# KiCad board MainPCB.kicad_pcb (continued)
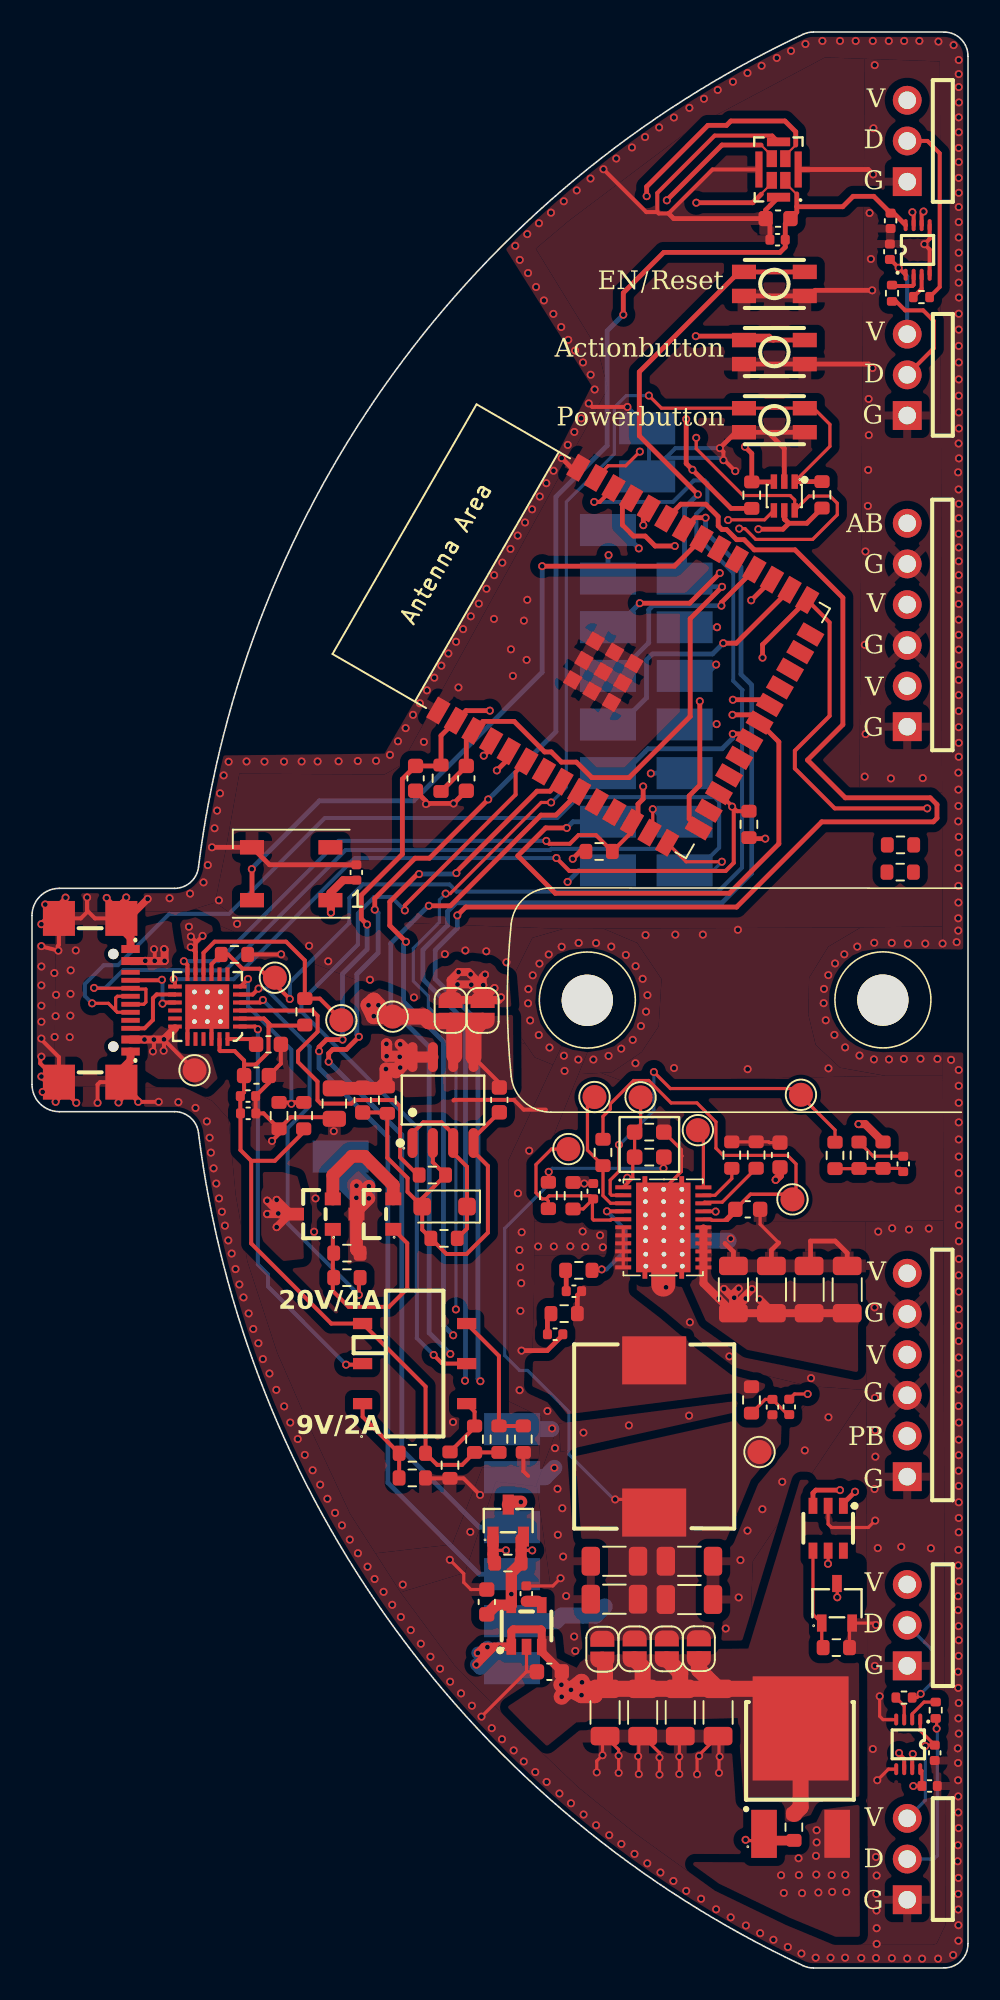
[diagram p0: board, top side]
## Routing (per net, layer and track width the routed paths; a pad name or vN(x,y) marks a point on that pad's centre or on a via; arc(x,y) is an arc through that point) (continued)
TXD0: length 20.4
  Top w0.3: v1(40.17,88.77) 38.94,88.77 38.32,89.39 37.59,89.39 36.89,90.09 36.89,91.2 U23.37
  In2.Cu w0.3: v1(40.17,88.77) 40.19,88.75 40.19,85.11 41.1,84.2 41.1,78.46 41.91,77.65 v1(42.78,77.65)
  Bottom w0.3: v1(42.78,77.65) 42.75,77.63 P28.1
USB-C CC1: length 4.3
  Top w0.25: U5.4 8.08,61.66 v1(8.12,61.69) ; v1(8.16,60.2) 8.23,60.27 IC1.15
  Bottom w0.25: v1(8.12,61.69) 8.16,61.65 v1(8.16,60.2)
USB-C CC2: length 4.5
  Top w0.25: U5.10 7.03,58.66 7.56,59.18 7.56,60.54 7.79,60.78 8.93,60.78 IC1.14
USB_PD_IC 3.3V: length 50.8
  Top w0.25: 14.49,59.27 14.78,58.99 14.78,57.18 13.99,56.4 13.25,56.4 ; 14.49,59.27 14.94,58.83 17.01,58.83 R2.1 ; 14.49,59.27 IC1.2 ; R13.1 R39.1 26.87,31.41 25.32,31.41 R10.1 24.59,36.3 SW3.3 18.7,40.23 13.7,45.23 13.7,50.39 ; 13.7,50.39 15.18,50.39 16.98,52.19 R6.1 ; 13.7,50.39 13.03,51.06 C6.2 13.02,53.36 C7.2 13.25,54.67 C5.2 13.25,56.4 ; 13.25,56.4 13.25,56.65 12.66,57.24 11.76,57.24 11.72,57.29 IC1.23
USB_PD_IC_FET_GATE: length 28.5
  Top w0.25: C4.2 27.59,51.8 U2.4 27.59,50.97 28.49,50.07 28.49,45.9 27.16,44.57 25.9,44.57 R12.1 24.38,46.09 D1.2 ; D1.2 23.47,48.45 23.47,49.31 22.2,50.58 R7.1 22.15,53.41 C2.2 ; D1.2 24.38,48.04 R9.2 25.05,50.3 U2.2
USB_PD_IC_FET_SRC: length 10.9
  Top w0.25: U2.1 23.78,52.12 24.45,52.79 25.59,52.79 26.32,52.06 U2.3 26.32,50.88 27.18,50.02 D1.1 27.18,46.16 R12.2
USB_PD_IC_FLIP: length 13.7
  Top w0.25: IC1.10 10.71,63.38 11.41,64.07 15.88,64.07 17.05,62.9 R2.2 17.98,60.52 TP2.1
USB_PD_IC_ISNK_FINE: length 12
  Top w0.25: IC1.6 13.03,61.27 v1(13.5,61.74) ; R8.1 R6.2 16.29,54.04 v1(16.21,53.95)
  Bottom w0.25: v1(16.21,53.95) 16.21,57.32 13.5,60.03 v1(13.5,61.74)
USB_PD_IC_SAFE_PWR_EN: length 24.6
  Top w0.25: R15.1 20.43,43.02 v1(20.43,42.02) ; IC1.4 14.27,60.27 v1(14.43,60.43)
  Bottom w0.25: v1(14.43,60.43) 17.35,57.51 17.35,53.8 15.98,52.43 15.98,46.47 v1(20.43,42.02)
USB_PD_IC_VBUS_FET_EN: length 21.6
  Top w0.25: R9.1 24.11,49.5 23,50.61 23,53.78 22.6,54.18 20.18,54.18 19.96,53.96 18.05,53.96 17.84,54.17 17.84,55.34 16.63,56.55 16.63,57.23 17.85,58.45 17.85,59.44 17.51,59.77 IC1.3
USB_PD_IC_VBUS_MIN: length 25.5
  Top w0.25: v1(19.63,37.66) 20.59,37.66 SW3.2 ; IC1.1 13.94,58.77 v1(14.11,58.6)
  Bottom w0.25: v1(19.63,37.66) 14.75,42.54 14.75,43.29 14.11,43.92 v1(14.11,58.6)
USB_PD_IC_VDC_OUT: length 20.9
  Top w0.25: 10.21,63.05 10.21,63.43 v1(9.92,63.73) ; 10.21,63.05 10.21,63.99 v1(10.66,64.43) ; 10.21,63.05 10.21,62.93 ; 10.21,62.93 10.21,64.1 v1(9.93,64.39) ; 10.21,62.93 IC1.11 ; U2.5 29.2,55.25 C4.1
  Top w1: v1(21.65,60.1) 21.36,60.39 v1(21.03,60.1) v1(21.36,59.42) 22.33,59.42 22.36,59.39 TP10.1 24.51,59.39 24.8,59.1 26.13,59.1 JP8.1 ; U2.5 27.59,58.56 JP9.1 JP8.1 ; JP8.1 26.39,58.9 26.39,56.94
  vias: v1(9.81,65)
Net-(C34-Pad2): length 1.4
  Top w0.3: C34.2 32.21,40.63 R21.1
Net-(C35-Pad1): length 3.1
  Top w0.2: C36.2 47.22,34.55 C35.1 45.82,35.5 R22.1
Net-(C37-Pad1): length 1.3
  Top w0.3: C37.1 33.38,43.51 R35.1
Net-(C37-Pad2): length 4
  Top w0.2: U6.6 36.94,43.74 U6.11
  Top w0.3: R21.2 34.08,41.99 C37.2
Net-(C38-Pad1): length 4.3
  Top w0.2: 54.44,49.72 54.24,49.92 R44.2 53.17,49.91 R45.1 51.67,49.9 R46.2
Net-(R10-Pad2): length 5.6
  Top w0.25: SW3.1 20.66,34.42 R10.2 22.94,30.6 R11.2
Net-(R13-Pad2): length 8.8
  Top w0.25: R16.2 R13.2 29.18,38.21 SW3.6
Net-(R39-Pad2): length 3.9
  Top w0.25: SW3.4 27.65,34.73 R39.2 27.65,33.75 R40.1
Net-(U1-Q): length 6.3
  Top w0.2: R19.2 49.35,20.09 U12.1 48.8,22.08 U1.4
Net-(U3-G): length 13.4
  Top w0.25: U3.1 23.45,45.24 23.45,42.41 22.31,41.27 19.79,41.27 18.8,42.26 U4.1
Net-(U3-S): length 7.3
  Top w0.8: U3.2 22.58,48.87 20.77,50.67 19.99,50.67 18.8,49.48 U4.2
Net-(U6-MODE): length 4.2
  Top w0.2: U6.20 42.02,47.81 43.13,47.81 R18.2
Net-(U6-TRIP): length 2.9
  Top w0.2: R38.2 43.73,49.28 42.68,48.23 U6.21
Net-(U6-VBST): length 6.5
  Top w0.25: R35.2 35.54,43.55 v1(35.6,43.61) ; v1(35.92,47.24) 35.92,47.24 U6.4
  Bottom w0.25: v1(35.92,47.24) 37.08,46.08 37.08,44.79 35.9,43.61 v1(35.6,43.61)
Net-(U11-G): length 47
  Top w0.2: v1(50.32,23.14) 50.32,23.98 U12.3 ; 47.61,7.97 47.59,7.95 ; 28.81,25.83 29.04,26.07 v1(29.62,26.07) ; U9.1 46.16,7.95 44.64,7.95 v1(44.59,8) ; 28.81,25.38 28.91,25.28
  Top w0.6: 47.59,7.95 46.16,7.95
  Top w0.7: U11.1 28.81,25.38
  In2.Cu w0.2: v1(44.59,8) 50.32,13.73 v1(50.32,23.14) 46.98,23.14 45.78,24.34 34.07,24.34 33.5,23.77 31.91,23.77 v1(29.62,26.07)
Net-(U13-BYP): length 1.1
  Top w0.2: 31.61,22.89 U13.4
  Top w0.7: C22.2 31.61,22.89
Net-(U14-A1): length 2.1
  Top w0.2: R26.1 55.74,16.6 55,15.86 U14.2
Net-(U14-A2): length 1.6
  Top w0.2: U14.3 54.5,16.36 R27.1
Net-(U24-A1): length 2
  Top w0.25: R24.1 53.79,105 55.01,105 55.09,105.08 U24.2
Net-(U24-A2): length 1.6
  Top w0.25: U24.3 55.59,104.83 R25.1

## Copper pours and planes (outline as drawn; the poured copper is in the pictures)
5V AFTER MOSFET on Top: 49.4,9.9 49.01,9.1 48.21,8.9 48.17,7.24 46.86,7.24 46.59,6.59 39.97,6.62 44.06,3.89 48.49,1.6 52.24,1.13 52.29,10.27
5V AFTER MOSFET on Bottom: 50.87,45.04 55.89,45.16 55.88,42.12 50.79,42.12
5V AFTER MOSFET on Bottom: 50.85,39.74 55.87,39.86 55.86,36.82 50.77,36.82
5V AFTER MOSFET on Bottom: 50.84,86.68 55.86,86.8 55.85,83.76 50.76,83.76
5V AFTER MOSFET on Bottom: 51.03,118.32 56.05,118.44 56.04,115.4 50.95,115.4
5V AFTER MOSFET on Bottom: 50.94,103.68 55.96,103.8 55.95,100.76 50.86,100.76
5V AFTER MOSFET on Bottom: 60,-1.64 32.26,-2.55 33.82,21.28 32.5,36.01 40.64,44.33 36.25,55.92 37.82,63.99 44.76,65.9 46.24,68.74 46.34,90.13 43.39,95.12 43.59,124.05 63.56,124.46
5V AFTER MOSFET on Bottom: 51.13,25.33 56.15,25.45 56.14,22.41 51.05,22.41
5V AFTER MOSFET on Bottom: 50.82,81.57 55.84,81.69 55.83,78.65 50.74,78.65
5V AFTER MOSFET on Bottom: 51,10.82 56.02,10.94 56.01,7.9 50.92,7.9
+5V on Top: 31.42,20.73 32.66,20.73 32.8,19.34 34.04,18.74 34.72,19.84 44.76,19.94 47.99,30.48 52.1,30.41 51.95,10.4 49.01,9.1 46.92,9.13 46.86,10.34 44.48,10.37 44.1,15.6 34.02,15.33 31.66,13.42 29.11,15.92 32.2,17.95 32.33,18.49 31.29,19.37
+5V on Top: 14.45,48.74 14.19,48.17 14.16,46.29 14.47,45.3 15.71,44.13 16.99,44.27 16.87,48.43 16.59,49.43 15.64,49.69 14.42,49.69
+5V on In2.Cu: 18.23,65.9 17.4,64.67 23.94,61.3 24.58,60.69 24.39,56.08 23,46.35 19.72,46.07 18.91,46.66 17.5,51.18 11.7,51.41 14.7,40.54 19.02,30.81 24.26,22.25 30.58,14.67 35.38,16.3 42.7,16.23 42.55,18.48 33.24,18.33 31.35,18.17 24.69,26.81 21.32,32.32 18.4,37.7 16.65,44.66 22.08,44.92 23.72,45.31 24.38,47.72 25.68,56.36 25.64,61.4 24.93,62.5 19.59,65.62
GND on Top: 36.39,46.58 31.24,46.61 31.18,44.49 36.4,44.53
GND on Top: 21.07,25.84 26.26,26.44 28.14,31.23 31.65,31.41 31.83,34.39 29.76,35.39 29.76,50.4 33.1,57.55 34.71,57.17 32.5,51.74 31.4,49.97 31.37,42.15 31.25,37.28 31.25,36.31 32.53,35.73 33.5,34.48 33.26,30.65 33.16,29.87 28.99,30.36 27.05,24.67 23.03,23.45
GND on Top: 41.11,43.99 37.77,44.07 37.79,42.34 39.57,40.97 41.81,39.08 43.92,37.49 45.99,36.95 48.66,36.3 52.45,35.47 52.5,37 44.68,38.59 42.1,40.41 40.88,43.15 41.04,43.49
GND on Top: 32.93,33.99 35.64,26.28 35.46,22.02 34.64,21.37 34.41,20.54 34.86,20.4 42.57,20.54 42.81,22.22 43.14,26.13 45.1,30.88 49.19,36.28 52.23,36.07 45.04,25.39 44.9,21.39 43.99,18.74 34.04,18.74 32.8,19.34 32.65,22.01 31.53,30.2
GND on Top: 36.39,46.58 35.74,46.87 35.78,47.56 35.92,47.76 35.62,48.1 34.76,47.67 34.4,46.56 34.57,46.11 36.04,46.1
GND on Top: 32.93,33.99 44.03,35.4 44.2,34.09 33.03,32.22
GND on Top: 11.44,66.51 12.75,65.62 33.21,64.87 51.79,64.96 53.35,55.69 36.89,55.37 15.57,63.46 9.64,65.95
GND on Top: 42.43,46.56 52.1,46.6 52.77,44.73 42.43,44.69
GND on Top, Bottom: 57.18,75.14 57.09,75.96 56.73,119.02 52.04,119.54 51.7,73.17 57.33,73.4
GND on Top, Bottom, In1.Cu, In2.Cu: 59.12,65.05 51.79,64.96 49.76,63.76 48.56,61.82 48.51,59.52 48.97,57.63 50.5,56.2 53.35,55.69 59.72,55.69
GND on Top, Bottom, In1.Cu, In2.Cu: -8.95,132.65 70.74,134.11 70.02,-8.91 -21.33,-6.36
GND on Top, Bottom, In1.Cu, In2.Cu: -89.12,146.67 187.27,148.31 188.58,-43.5 -90.1,-43.82 56.53,1.52 57.08,2.69 56.73,119.02 49.55,119.27 41.32,114.91 33.58,109.1 31.48,107.33 35.36,101.02 35.98,98.6 23.03,75.07 22.02,74.5 12.96,74.56 12.06,69.55 11.44,66.51 9.64,65.95 1.48,65.95 1.42,55.42 2.04,55.03 9.52,54.97 11.27,54.13 12.28,53 12.73,48.27 13.46,44.11 15.32,38.42 17.46,33.53 19.88,28.35 23.03,23.45 26.41,18.89 30.58,14.67 34.12,11.29 37.67,8.42 42.68,4.82 47.12,2.68 50.11,1.44 56.9,1.44 -88.33,-43.33
GND on Top, Bottom, In1.Cu, In2.Cu: 33.21,64.87 35.74,64.87 37.82,63.99 39.34,61.73 39.16,58.78 38.09,57.17 36.25,55.92 33.99,55.79 31.41,56.85 30.07,58.83 30.03,61.82 31.27,64.31
GND on Top, Bottom, In2.Cu: 57.14,45.57 57.2,45.34 57.65,1.2 52.24,1.13 52.1,46.6 57.31,46.67
GND on Bottom: 33.43,36.54 31.83,34.38 30.09,36.07 28.73,37.29 28.21,38.37 28.44,47.05 31.68,50.77 32.89,51.96 39.68,52.22 40.49,51.1 40.9,50.72 40.81,49.49 40.61,48.51 38.59,48.33 33.73,48.75 31.88,46.79 31.39,45.8 31.2,39.07
GND on Bottom: 38.58,59.07 36.25,55.92 37.61,51.71 40.2,52.46 41.24,54.19 41.71,55.82 40.31,56.79 38.47,58.41
GND on Bottom: 33.04,9.61 36.28,16.48 35.61,20.11 34.35,22.49 34.1,25.03 33.99,28.1 33.5,31.75 33.29,35.21 34.83,37.21 39.04,41.3 41.59,43.12 41.7,48.89 41.19,49.68 38.85,50.15 37.69,52.7 36.8,55.39 36.45,56.66 37.53,56.85 38.5,57.9 39.2,60.16 39.34,61.73 38.66,63.11 38.3,63.82 41.15,64.77 44.76,65.9 45.9,67.45 47.23,69.97 46.56,90.71 43.39,95.12 43.55,116.79 42.61,116.25 42.5,107.03 42.45,96.85 42.45,94.71 45.65,90.47 45.98,89.99 45.96,85.19 45.92,79.06 45.86,69.37 45.27,67.79 44.29,66.44 37.35,64.2 37.58,63.07 35.54,57.3 35.56,55.92 37.9,50.04 37.52,49.27 37.62,43 37.62,41.23 34.57,38.16 32.5,36.01 31.07,35.17 31.83,33.15 32.24,29.16 32.56,23.84 32.91,21.24 33.25,19.26 34.88,18.69 35.2,17.86 34.93,16.19 32.22,11.26
GND on Bottom: 33.37,31.25 35.98,28.56 36.87,28.5 37.28,29.06 37.25,29.81 36.48,30.46 34.18,32.62 34.14,34.75 33.75,35.56 33.16,36.01 33.78,36.39 34.82,35.39 35.01,33.35 35.37,32.63 37.83,30.72 38.37,29.73 37.92,28.25 36.76,27.41 35.77,27.73 34.54,28.46 33.58,29.45
GND on Bottom: 32.28,16.24 34.93,16.19 34.06,12.99 32.03,13.25
GND on In1.Cu: 36.75,49.6 43.02,49.54 42.17,42.64 36.42,42.67
GND on In1.Cu: -99.25,156.16 197.64,156.16 197.64,-53.45 -98.91,-53.8
GND on In2.Cu: 34.26,47.2 34.56,49.13 35,50.33 36.42,50.72 37.61,51.14 38.99,49.6 38.72,43.36 40.03,42.67 40.78,41.17 43.31,38.56 46.37,37.65 48.78,37.67 49.43,36.04 49.32,34.18 47.65,33.71 43.95,34.01 40.48,34.09 37.14,34.74 35.49,36.75 35.42,42.38 35.64,44.53
GND on In2.Cu: 25.99,61.02 26.76,60.82 26.76,58.22 26.8,55.29 26.25,51.65 25.83,47.8 25.17,44.38 23.5,43.67 18.79,43.34 18.75,41.67 20.2,39.62 21.53,37.94 21.95,34.39 26.6,26.78 28.71,23.6 32.03,19.5 34.45,19.74 43.09,19.91 43.88,19.79 44.23,15.2 43.53,14.44 35.59,14.71 33.83,13.95 31.77,12.52 30.29,13.99 32.12,14.7 35.66,15.78 42.5,15.74 43.16,16.16 42.55,18.48 42.06,18.88 31.81,18.53 31.35,18.17 26.46,25.14 20.2,35.06 18.49,38.75 17.24,44.16 21.31,44.56 23.72,45.31 24.54,46.45 25.25,51.48 26.08,55.85 26.12,59.15
GND on In2.Cu: 10.01,67.82 24.68,60.89 24.39,56.08 23.45,48.78 22.92,46.39 19.72,46.07 18.91,46.66 17.95,50.02 17.5,51.18 10.17,51.59 10.45,52.48 12.28,52.34 16.04,52.1 18.26,52.16 19.9,46.96 22.08,47.02 23.69,56.11 23.63,60.06 12.5,64.6 9.64,65.95
GND on In2.Cu: 24.91,45.6 24.3,44.15 25.49,41.03 33.66,38.3 35.49,36.75 36,38.36 36.05,39.62 36.27,49.9 26.25,51.65
GND on In2.Cu: 8.54,68.48 17.12,64.93 18.01,66.14 20.48,65.64 25.38,62.58 26.96,62.98 28.8,62.67 30.03,61.82 38.38,64.1 51.64,64.06 57.46,64.6 58.94,124.32 12.42,120.03
VBUS on Top: 19.93,58.5 17.38,56.86 17.9,54.69 18.18,54.19 25.17,54.41 25.63,56.35 25.52,58.46 23.84,58.78 20.67,58.84
VBUS on Top: 19.58,49.14 19.22,48.63 18.51,47.32 18.58,45.59 20.44,42.74 21.55,41.59 23.41,43.1 23.83,46.09 23.63,48.39 22.29,49.65 19.96,49.83
VBUS on Top: 6.69,63.23 6.84,62.37 7.21,62.02 8.97,62.05 9.39,63.73 9.06,65.17 8.44,65.38 6.94,65.03 6.63,64.25
VBUS on Top: 5.8,58.19 7.55,58.97 9.01,59.09 9.59,58.94 11.23,56.82 11.61,55.53 10.45,54.39 8.27,55.25 6.89,56.12 6.96,57.44
VBUS on In2.Cu: -1.22,68.72 10.01,66.92 12.88,64.9 18.94,62.99 24.22,60.69 24.39,56.08 23.45,48.78 23.15,46.77 19.29,46.87 17.34,51.51 -2.02,52.92
STEPDOWN_VDC_IN on Top: 41.31,46.35 41.09,42.67 42.1,40.41 44.68,38.59 52.5,37 52.19,43.08 43.5,43.05 42.43,44.69 42.5,46.16
STEPDOWN_VDC_IN on Top: 26.46,63 25.2,62.3 24.74,61.19 24.8,60.3 25.46,60.03 29.55,59.97 29.96,60.01 29.8,61.93 28.64,62.74
STEPDOWN_VDC_IN on In2.Cu: 23.63,63.79 51.64,64.06 52.8,34.2 25.49,41.03
STEPDOWN_VDC_OUT on Top: 33.96,31.95 45.74,34.57 46.87,34.89 46.8,32.72 44.93,30.47 43.14,26.13 42.57,20.54 34.86,20.4 34.3,27.15
USB_PD_IC_VDC_OUT on Top: 25.74,54.72 28.29,54.51 30.09,54.46 30.06,59.65 25.34,59.7 22.1,61.04 20.8,61.41 19.65,60.17 20.67,58.84 23.84,58.78 25.52,58.46 25.63,56.35
USB_PD_IC_VDC_OUT on Top: 9.91,62.07 10.55,62.13 10.72,63.22 11.44,64.14 11.25,65.07 10.21,65.6 9.48,65.52 9.25,65.17 9.41,64.14
USB_PD_IC_VDC_OUT on In2.Cu: 9.44,65.47 9.46,63.49 12.55,62.2 19.43,59.5 22.76,58.53 23.61,58.59 23.23,59.88
Net-(C37-Pad2) on Top: 45.99,36.95 45.6,35.63 33.5,34.48 32.53,35.73 31.25,36.31 31.32,38.32 33.8,39.13 33.82,41.5 34.41,42.67 35.68,42.86 36.4,44.53 36.47,46.22 37.47,46.26 37.69,43.55 37.79,42.34 43.92,37.49

## Text on the board
B.Silkscreen: IO36/SPI SCK | IO13/I2S SCK | IO35/SPI MO | IO12/I2S WS | IO9/I2C SCL | IO8/I2C SDA | IO14/I2S SD | IO37/SPI MI | GND | IO1/PB | TX | EN | RX | IO3/AB | IO19/USB D- | IO20/USB D+ | 5V OUT | 5V I/O | 3.3V OUT | 3.3V I/O | VBUS | Documents: | bit.ly/3BGik9H | 5V | LED3/IO4 | LED1/IO42 | LED2/IO41 | LED4/IO5 | POWERBUTTON | ACTIONBUTTON | GlowLight/GlowTower v2.0 / Main PCB | DEV edition
F.Silkscreen: EN/Reset | Actionbutton | Powerbutton | G | V | AB | D | PB | 9V/2A | 20V/4A
